# Altium PCB mV_meter.PcbDoc (part 1 of 3) (continued)
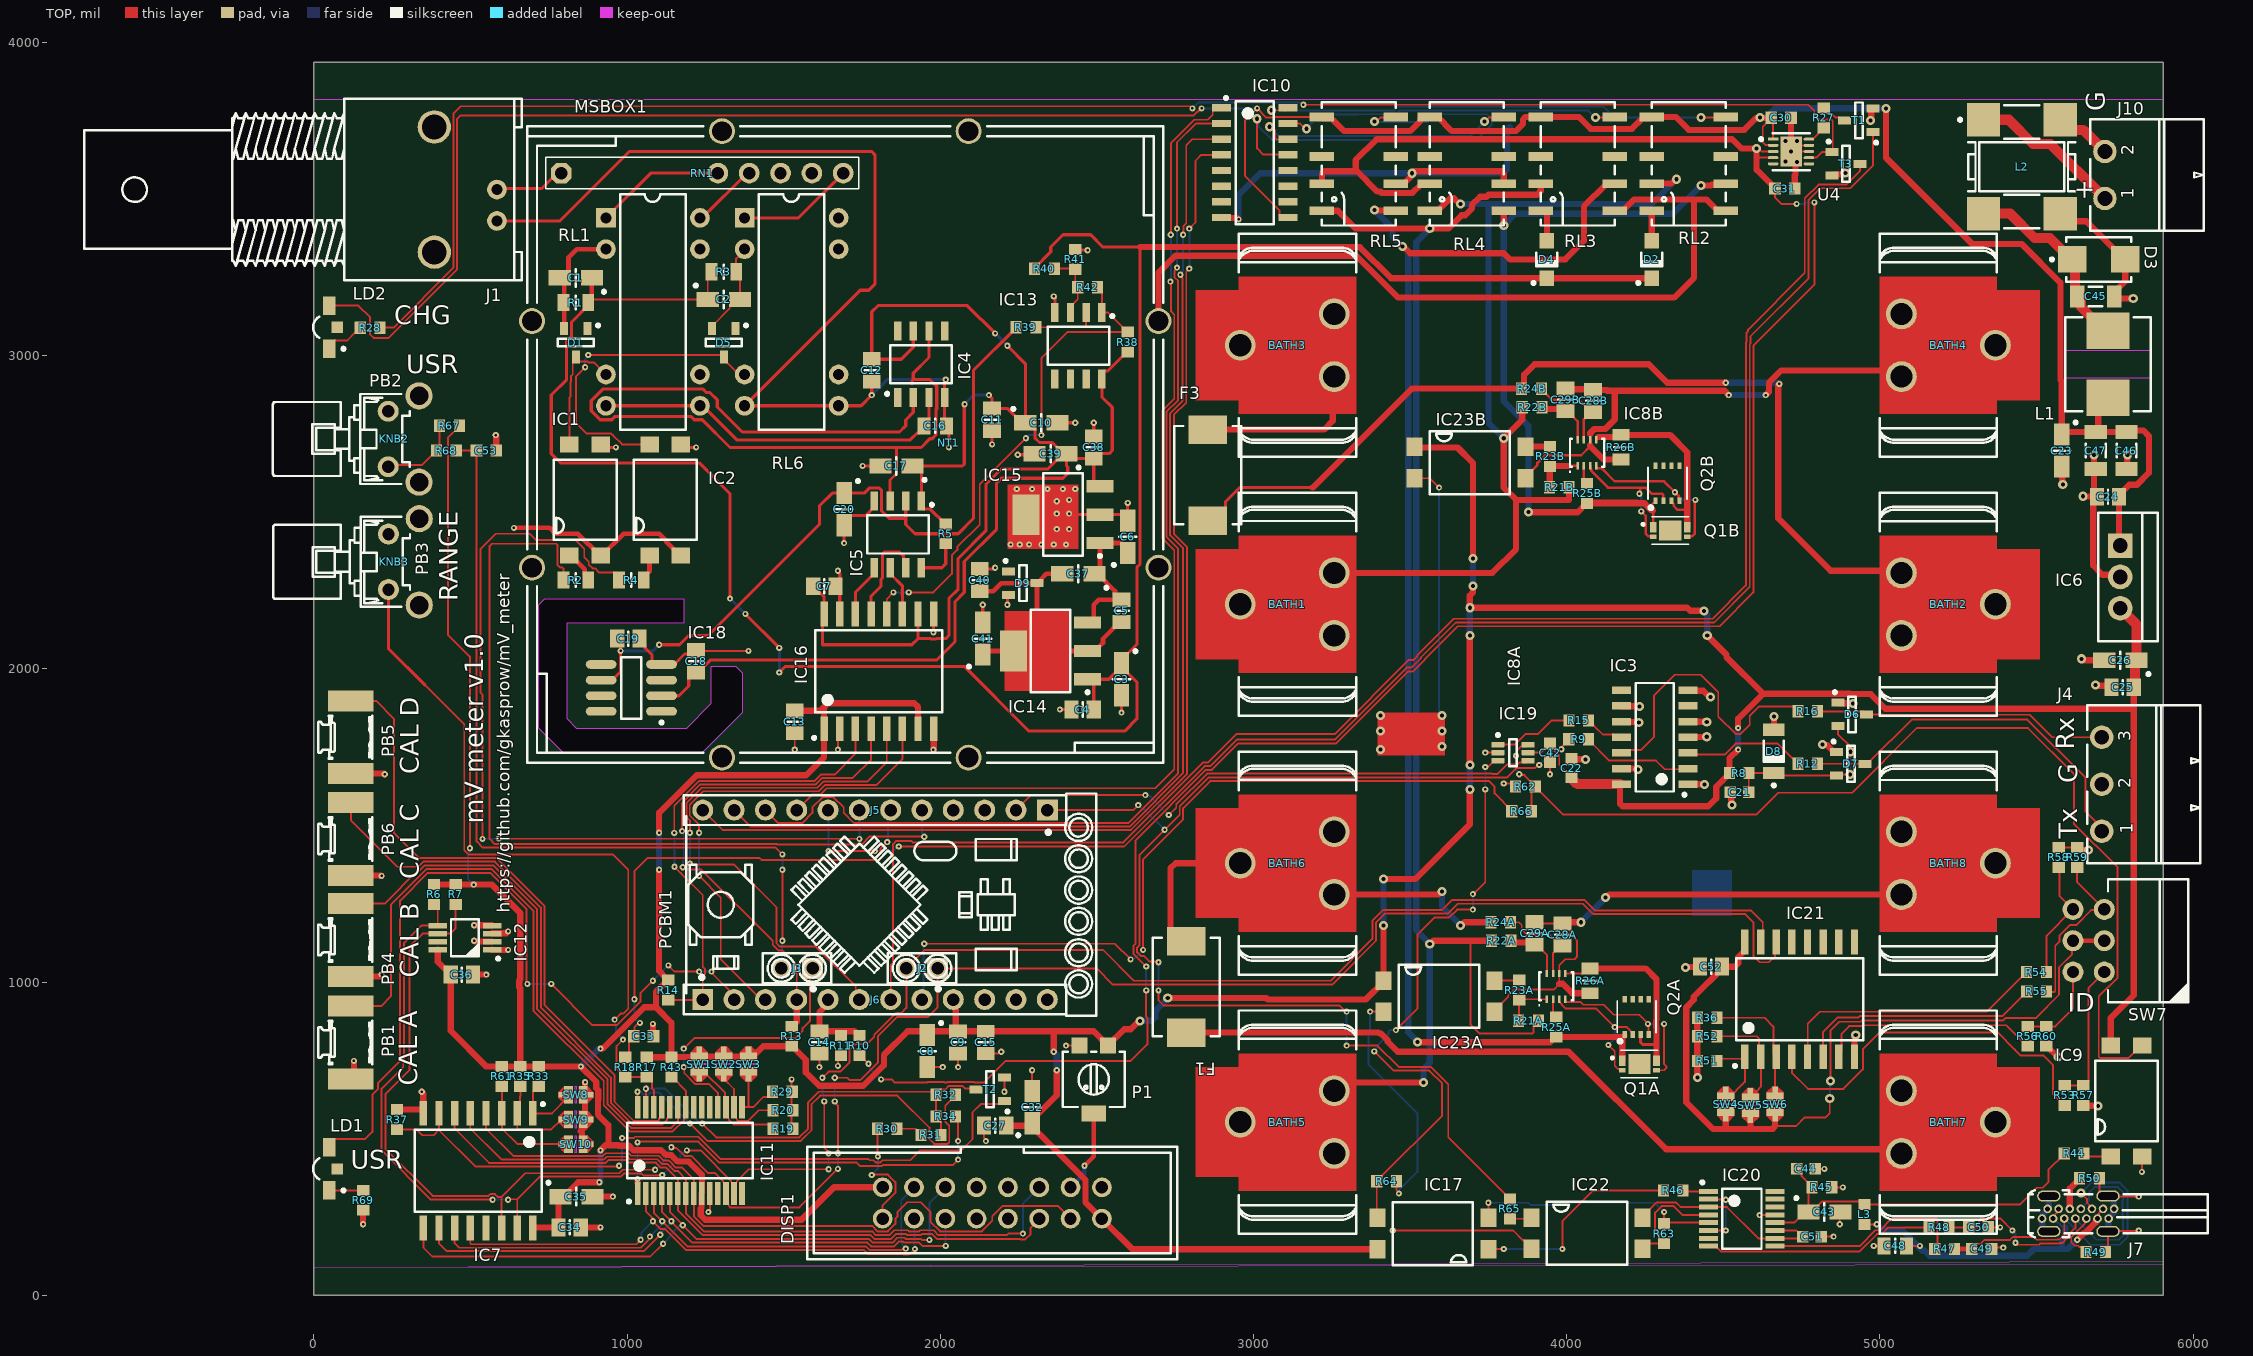
[diagram p0: TOP view]
## Components (designator, comment, footprint, x,y, rotation, side; value= is the part's Value field where it differs from the comment) (continued)
R36 "10k" RESC1608X55N 4448.82,885.83 r0 top
R37 "47k" RESC1608X55N 265.75,561.02 r270 top
R38 "10k" RESC1608X55N 2598.43,3043.31 r270 top
R39 "20k" RESC1608X55N 2273.62,3090.55 r0 top
R40 "47k" RESC1608X55N 2332.68,3277.56 r0 top
R41 "62k" RESC1608X55N 2431.1,3307.09 r270 top
R42 "10M" RESC1608X55N 2470.47,3218.5 r0 top
R43 "1k" RESC1608X55N 1141.73,728.35 r90 top
R44 "470" RESC1608X55N 5620.08,452.76 r180 top
R45 "470" RESC1608X55N 4814.96,344.49 r180 top
R46 "470" RESC1608X55N 4340.55,334.65 r0 top
R47 "27" RESC1608X55N 5206.69,147.64 r0 top
R48 "27" RESC1608X55N 5188.98,216.54 r0 top
R49 "5k1" RESC1608X55N 5688.98,137.8 r180 top
R50 "5k1" RESC1608X55N 5669.29,374.02 r0 top
R51 "10k" RESC1608X55N 4448.82,748.03 r0 top
R52 "10k" RESC1608X55N 4448.82,826.77 r0 top
R53 "470" RESC1608X55N 5590.55,637.8 r90 top
R54 "470" RESC1608X55N 5500,1032 r0 top
R55 "470" RESC1608X55N 5500.5,970 r0 top
R56 "470" RESC1608X55N 5472.44,826.77 r90 top
R57 "10k" RESC1608X55N 5649.61,637.8 r90 top
R58 "10k" RESC1608X55N 5570.87,1397.64 r270 top
R59 "10k" RESC1608X55N 5629.92,1397.64 r270 top
R60 "10k" RESC1608X55N 5531.5,826.77 r90 top
R61 "10k" RESC1608X55N 600.39,698.82 r270 top
R62 "10k" RESC1608X55N 3868.11,1624.02 r0 top
R63 "10k" RESC1608X55N 4311.02,196.85 r270 top
R64 "10k" RESC1608X55N 3425.2,364.17 r180 top
R65 "470" RESC1608X55N 3818.9,275.59 r270 top
R66 "10k" RESC1608X55N 3856.3,1545.28 r0 top
R67 "1k" RESC1608X55N 433.07,2775.59 r0 top
R68 "10k" RESC1608X55N 423.23,2696.85 r180 top
R69 "1k" RESC1608X55N 157.48,303.15 r90 top
RL1 "COMUS 3563.1231.051" REL_LITTELFUSE_HE700 1082.68,3139.76 r0 top value=5VDC
RL2 "REL_TYCO_IM Non-latching" REL_TYCO_IMXXXGX 4389.76,3612.2 r270 top value=12VDC
RL3 "REL_TYCO_IM Non-latching" REL_TYCO_IMXXXGX 4035.43,3612.2 r270 top value=12VDC
RL4 "REL_TYCO_IM Non-latching" REL_TYCO_IMXXXGX 3681.1,3612.2 r270 top value=12VDC
RL5 "REL_TYCO_IM Non-latching" REL_TYCO_IMXXXGX 3336.61,3612.2 r270 top value=12VDC
RL6 "COMUS 3563.1231.051" REL_LITTELFUSE_HE700 1525.59,3139.76 r0 top value=5VDC
RN1 "9M 900K 90K 9K 1K" 1776-C6815 1240.16,3582.68 r180 top
SW1 "Switch" JUMPSMD0805_G50 1230.31,738.19 r270 top
SW2 "Switch" JUMPSMD0805_G50 1309.05,738.19 r270 top
SW3 "Switch" JUMPSMD0805_G50 1387.8,738.19 r270 top
SW4 "Switch" JUMPSMD0805_G50 4507.87,610.24 r90 top
SW5 "Switch" JUMPSMD0805_G50 4586.61,606.3 r90 top
SW6 "Switch" JUMPSMD0805_G50 4665.35,610.24 r90 top
SW7 "HEX" SW_APEM_PT65106L254 5856.3,1131.89 r180 top
SW8 "Switch" JUMPSMD0805_G50 836.61,639.76 r180 top
SW9 "Switch" JUMPSMD0805_G50 836.61,561.02 r180 top
SW10 "Switch" JUMPSMD0805_G50 836.61,482.28 r180 top
T1 "BSS138LT1G" SOT95P240X110-3N 4933,3751 r180 top
T2 "BSS138LT1G" SOT95P240X110-3N 2159.45,657.48 r180 top
T3 "BSS138LT1G" SOT95P240X110-3N 4891.73,3612.2 r0 top
U4 "MCP73213-A6SI/MF" FP-C04-063-IPC_B 4716.45,3651.57 r0 top

## Footprints (in the part's own frame and the unit in brackets; to place one, negate y for a bottom-side part, rotate by r counter-clockwise, add the part's x,y. Pads: shape width x height; smd on the part's side, far side on the other; paste and mask are expansions set on the pad)
1776-C6815 [mil] "Precision Decade Resistor Voltage Divider"
  oct 66x66 / inner round 60.98 / far side oct 66x66 hole 39.37: 1(450,0)
  round 66 hole 39.37: 2(-50,0) 3(-150,0) 4(-250,0) 5(-350,0) 6(-450,0)
  silkscreen extent -500,-50 500,50, body extent -500,-30 500,30, height 591
ADI-R-8_M [mm] "SOIC, 8-Leads, Body 4.9x3.9mm, Pitch 1.27mm, IPC Low Density"
  oval 2.5x0.7 smd: 1(-2.45,1.905) 2(-2.45,0.635) 3(-2.45,-0.635) 4(-2.45,-1.905) 5(2.45,-1.905) 6(2.45,-0.635) 7(2.45,0.635) 8(2.45,1.905)
  silkscreen extent -2.58,-2.5 0.8,2.93, body extent -2,-2.5 2,2.5, height 1.75
BATH_KEYSTONE_54 [mm] "Clip for 16mm - 19mm Diameter Battery"
  round 2.5 hole 1.8: 1(-7.62,0) 1(0,-2.54) 1(0,2.54)
  TOP region: -11.231,-4.445 -11.231,4.445 -7.747,4.445 -7.747,5.563 1.778,5.563 1.778,-5.563 -7.747,-5.563 -7.747,-4.445
  silkscreen extent -7.75,-9.05 1.78,9.05, body extent -11.23,-9.05 1.78,9.05, height 18.3
CAPC1608X87N [mm] "Chip Capacitor, Body 1.6x0.8mm IPC Medium Density"
  rect 0.95x1 smd: 1(-0.8,0) 2(0.8,0)
  body extent -0.87,-0.47 0.88,0.48, height 0.87
CAPC1608X90N [mm] "Chip Capacitor, Body 1.6x0.8mm IPC Medium Density"
  rect 0.95x0.95 smd: 1(-0.75,0) 2(0.75,0)
  body extent -0.85,-0.45 0.85,0.45, height 0.9
CAPC2012X88N [mm] "Chip Capacitor, Body 2.0x1.25mm, IPC Medium Density"
  rect 1.15x1.45 smd: 1(-0.9,0) 2(0.9,0)
  silkscreen extent 0,-0.58 0,0.58, body extent -1.05,-0.67 1.05,0.68, height 0.9
CAPC2012X135N [mm] "Chip Capacitor, Body 2.0x1.25mm, IPC Medium Density"
  rect 1.05x1.4 smd: 1(-0.9,0) 2(0.9,0)
  silkscreen extent 0,-0.58 0,0.58, body extent -1.05,-0.67 1.05,0.68, height 1.25
CAPC3216X180N [mm] "Chip Capacitor, Body 3.2x1.6mm, IPC Medium Density"
  rect 1.15x1.8 smd: 1(-1.5,0) 2(1.5,0)
  silkscreen extent -0.55,-0.8 0.55,0.8, body extent -1.7,-0.9 1.7,0.9, height 1.8
CAPMP3216X180N [mm] "Capacitor, Polarized, Molded  Body 3.2x1.6mm, IPC Medium Density"
  rect 1.8x1.25 smd: 1(-1.3,0) 2(1.3,0)
  silkscreen extent -2.4,-0.7 0,1.25, body extent -1.7,-0.9 1.7,0.9, height 1.6
DCK0006A_M [mm] "SOT23, 6-Leads, Body 2.15x1.4mm, Pitch 0.65mm, IPC Low Density"
  rrect22% 1.05x0.45 smd: 1(-1.225,0.65) 2(-1.225,0) 3(-1.225,-0.65) 4(1.225,-0.65) 5(1.225,0) 6(1.225,0.65)
  silkscreen extent -1.35,-1.1 0.3,1.55, body extent -1.14,-1 1.14,1, height 0.94
DIOM5336X265N [mm] "DO-214-AA/SMB Diode, Molded Body; 5.34mm L X 3.625mm W X 2.65mm H, IPC Medium Density"
  rect 2.3x2.15 smd: 1(-2.15,0) 2(2.15,0)
  silkscreen extent -3.92,-1.8 2.65,1.8, body extent -2.7,-1.95 2.7,1.95, height 2.4
DIOMELF3515N [mm] "SOD80C, MELF Diode, 2-Leads, Body 3.5x1.5mm, IPC Medium Density"
  rect 1x1.75 smd: 1(-1.75,0) 2(1.75,0)
  silkscreen extent -2.87,-0.8 0.85,0.8, body extent -1.85,-0.8 1.85,0.8, height 1.6
FAIRCHILD_FOD817DSD [mm] "SOIC, 2.54mm Pitch, 4 Pin, Body 6.5mm W X 4.6mm L X 4.6mm H"
  rect 1.3x1.5 smd: 1(-4.5,1.27) 2(-4.5,-1.27) 3(4.5,-1.27) 4(4.5,1.27)
  silkscreen extent -3.25,-2.55 3.25,2.55, body extent -5.01,-2.55 5.02,2.55, height 4.06
FP-C04-063-IPC_B [mm]
  rect 0.854x0.239 smd paste+0 mask+0: 1(-1.452,1)
  rrect100% 0.854x0.239 smd paste+0 mask+0: 2(-1.452,0.5) 3(-1.452,0) 4(-1.452,-0.5) 5(-1.452,-1) 6(1.452,-1) 7(1.452,-0.5) 8(1.452,0) 9(1.452,0.5) 10(1.452,1)
  rect 1.75x2.45 smd paste-1000 mask+0: 11(0,0)
  silkscreen extent -2.55,-1.5 1.5,1.5
FUSR_BOURNS_MF-SM300 [mm] "PolySwitch, 2-Leads, Body 7.98x5.44mm Max"
  rect 2.3x3.1 smd: 1(-3.7,0) 2(3.7,0)
  silkscreen extent -3.99,-2.72 3.99,2.72, body extent -3.99,-2.72 3.99,2.72, height 3
IDC_16_male [mm] "IDC 2x13 PCB male connector"
  round 1.6 hole 1: 1(-8.89,-1.27) 2(-8.89,1.27) 3(-6.35,-1.27) 4(-6.35,1.27) 5(-3.81,-1.27) 6(-3.81,1.27) 7(-1.27,-1.27) 8(-1.27,1.27) 9(1.27,-1.27) 10(1.27,1.27) 11(3.81,-1.27) 12(3.81,1.27) 13(6.35,-1.27) 14(6.35,1.27) 15(8.89,-1.27) 16(8.89,1.27)
  silkscreen extent -14.99,-4.57 14.99,4.57, body extent -13.82,-4.11 13.82,4.52, height 9.65
IND_BOURNS_SRF1006 [mm] "SMD Inductor Body Width 10mm Body Lenght 7.4mm Height 6.5mm"
  rect 2.7x2.7 smd: 1(-3.81,-3.11) 2(3.81,-3.11) 3(3.81,3.11) 4(-3.81,3.11)
  silkscreen extent -5,-5.12 5,4.35, body extent -5,-4.35 5,4.35, height 6.5
IND_WURTH_WE-LHMI_7050 [mm] "SMD Power Inductor (We-LHMI Series), Body 7.6x6.9mm"
  rect 2.95x3.5 smd: 1(-2.725,0) 2(2.725,0)
  TOP keep-out region: 1.1,-3.45 1.1,3.45 -1.1,3.45 -1.1,-3.45
  silkscreen extent -3.8,-3.45 3.8,3.45, body extent -3.65,-3.3 3.65,3.3, height 4.8
INDC1608X75N [mm] "Chip Inductor, 2-Leads, EIA 0603, Metric 1608, Body 1.6x0.8mm, IPC Medium Density"
  rect 0.9x1 smd: 1(-0.8,0) 2(0.8,0)
  body extent -0.87,-0.47 0.88,0.48, height 0.7
JUMPSMD0805_G50 [mm] "2 SMD Pads for Bound by Solder Drop - Equivalent Size 0805 - Gap 0.5mm"
  rect 0.475x0.45 smd paste-0.225: 1(-1.188,0) 2(1.188,0)
  rect 0.7x1.4 smd paste-0.35: 1(-0.6,0) 2(0.6,0)
  TOP region: 0.25,-0.7 0.95,-0.7 1.425,-0.225 1.425,0.225 0.95,0.7 0.25,0.7
  TOP region: -0.25,0.7 -0.95,0.7 -1.425,0.225 -1.425,-0.225 -0.95,-0.7 -0.25,-0.7
  TOP keep-out region: -0.05,0.7 0.05,0.7 0.05,-0.7 -0.05,-0.7
KNB_OMRON_B32-2010_H [mil] "Black Knob For OMRON Push-Button Switch (Dia. 6mm L=5.5mm) Horizontal"
  silkscreen extent -118,-387 118,-170, body extent -118,-387 118,-170, height 276
KYCON_KUSBX-SL-CS1N14-B [mm] "USB 2.0 Type C Receptacle, High Temp., Flag Style Through Hole 14 Pin, Black"
  round 0.7 hole 0.4: A1(-0.39,-2.25) A4(-0.39,-1.35) A5(-0.39,-0.45) A6(-0.39,0.45) A7(-0.39,1.35) A9(-0.39,2.25) A12(-0.39,3.15) B1(0.39,2.7) B4(0.39,1.8) B5(0.39,0.9) B6(0.39,0) B7(0.39,-0.9) B9(0.39,-1.8) B12(0.39,-2.7)
  oval 0.9x1.9 hole 0.6 slot 1.6 at 90 deg: SHIELD(-1.43,2.6) SHIELD(-1.43,-2.2) SHIELD(1.43,2.6) SHIELD(1.43,-2.2)
  silkscreen extent -1.9,-10.3 1.9,4.25, body extent -1.9,-10.3 1.9,4.25, height 9.04
LED_AVAGO_HSME-C110 [mm] "Green Chip LED, 2-Leads, Body 3.3x1.6mm, Side Emitting Package"
  rect 1.5x1 smd: 1(-1.75,0) 2(1.75,0)
  rect 0.9x0.9 smd: 3(0,-0.65)
  silkscreen extent -1.87,-1.28 0.86,1.3, body extent -1.65,-0.3 1.65,1.3, height 1
MSBOX_PERANCEA_PFL6T [mm] "Metal Screening Box, Internal dimensions L50 x W50 x H15mm, Overall Size 55x55x16mm"
  round 2.1 hole 1.6: 1(-10,25.4) 2(10,25.4) 3(25.4,10) 4(25.4,-10) 5(10,-25.4) 6(-10,-25.4) 7(-25.4,-10) 8(-25.4,10)
  silkscreen extent -25.8,-25.8 25.8,25.8, body extent -27.22,-27.22 27.22,27.22, height 16
"Net Tie" [mil] "SMD Net Tie"
  rect 5x5 smd paste-2.5 mask-2.5: 1(0,0) 2(10,0)
  TOP lines w5: 10,0 0,0
PB_C&K_KSS221GLFS [mm] "Body 7.0x3.5mm, Surface Mount Subminiature Tact Side Actuated Switch, C&K KSS Series"
  rect 1.7x3.7 smd: 1(-2.955,-0.005) 2(2.945,-0.005)
  silkscreen extent -1.76,-1.76 1.74,2.64, body extent -3.51,-1.76 3.49,2.64, height 1.65
PB_OMRON_B3F-3150 [mm] "7.3x6.25mm Model, Side-operated , Projected Plunger Type (without Ground Terminal) Pushbutton Switch, OMRON B3F Series"
  round 1.7 hole 1: 1(-2.25,-0.978) 2(2.25,-0.978)
  round 2.2 hole 1.5: 3(-3.5,1.522) 4(3.5,1.522)
  silkscreen extent -3.65,-7.13 3.65,0.77, body extent -4.35,-7.13 4.35,3.02, height 7.4
"PCBM_ARDUINO PRO MINI" [mil] "Arduino NANO RP2040 Printed Circuit Board Module"
  silkscreen extent -707,-355 603,355, body extent -707,-355 603,355, height 522
PHOENIX_1803277 [mm] "PHOENIX MC Serie, Pitch 3.81mm, 8A, 160V, 2 Positions Right Angled Header"
  round 1.9 hole 1.2: 1(-1.905,0) 2(1.905,0)
  silkscreen extent -4.51,-8 4.51,1.2, body extent -4.51,-8 4.5,1.3, height 7.25
PHOENIX_1803280 [mm] "PHOENIX MC Serie, Pitch 3.81mm, 8A, 160V, 3 Positions Right Angled Header"
  round 1.9 hole 1.2: 1(-3.81,0) 2(0,0) 3(3.81,0)
  silkscreen extent -6.41,-8 6.41,1.2, body extent -6.41,-8 6.41,1.3, height 7.25
REL_LITTELFUSE_HE700 [mm] "DIP 14, 8 Leads, Row Spacing 7.62 mm; Pitch 2.54 mm"
  rect 1.6x1.6 hole 0.9: 1(-3.81,7.62)
  round 1.6 hole 0.9: 2(-3.81,5.08) 6(-3.81,-5.08) 7(-3.81,-7.62) 8(3.81,-7.62) 9(3.81,-5.08) 13(3.81,5.08) 14(3.81,7.62)
  silkscreen extent -2.65,-9.55 2.65,9.55, body extent -3.93,-9.54 3.94,9.55, height 5.82
REL_TYCO_IMXXXGX [mm] "8 Gull Wings Leads SMT Relay, IM Series, Body 10mm x 6mm"
  rect 0.7x2 smd: 1(-3.8,-3) 2(-0.6,-3) 3(1.6,-3) 4(3.8,-3) 5(3.8,3) 6(1.6,3) 7(-0.6,3) 8(-3.8,3)
  silkscreen extent -5,-3 5,3, body extent -5,-3.76 5,3.76, height 5.65
RESC1608X55N [mm] "Chip Resistor, EIA 0603, Metric 1608, Body 1.6x0.8mm, IPC Medium Density"
  rect 0.9x1 smd: 1(-0.8,0) 2(0.8,0)
  body extent -0.87,-0.47 0.88,0.48, height 0.55
RESC2012X60N [mm] "Chip Resistor, EIA 0805, Metric 2012, Body 2.0x1.2mm, IPC Medium Density"
  rect 0.95x1.4 smd: 1(-1,0) 2(1,0)
  silkscreen extent 0,-0.55 0,0.55, body extent -1.1,-0.67 1.1,0.68, height 0.6
SAMTEC_SSW-102-02-G-S [mm] "2 Contacts, Pitch 2.54mm - Top Entry, Single Row, Through Mount Straigh Socket"
  rect 1.7x1.7 hole 1: 1(-1.27,0)
  round 1.7 hole 1: 2(1.27,0)
  silkscreen extent -2.79,-1.21 2.79,1.81, body extent -2.79,-1.21 2.79,1.21, height 8.51
SAMTEC_SSW-112-01-G-S [mm] "12 Contacts, Pitch 2.54mm - Top Entry, Single Row, Through Mount Straigh Socket"
  rect 1.7x1.7 hole 1: 1(-13.97,0)
  round 1.7 hole 1: 2(-11.43,0) 3(-8.89,0) 4(-6.35,0) 5(-3.81,0) 6(-1.27,0) 7(1.27,0) 8(3.81,0) 9(6.35,0) 10(8.89,0) 11(11.43,0) 12(13.97,0)
  silkscreen extent -15.49,-1.21 15.5,1.95, body extent -15.49,-1.21 15.49,1.21, height 8.51
SODFL3617X108N [mm] "SODFL Diode (SOD123FL); 2.75mm W X 1.72mm L X 1.08mm H body, IPC Medium Density"
  rect 1.26x1.17 smd: 1(-1.53,0) 2(1.53,0)
  silkscreen extent -2.03,-0.85 0.55,1.21, body extent -1.85,-0.95 1.85,0.95, height 1.1
SOIC127P600X175-8N [mm] "SOIC 8, Pitch 1.27mm - Body 4x5mm, IPC Medium Density"
  rect 1.55x0.6 smd: 1(-2.7,1.905) 2(-2.7,0.635) 3(-2.7,-0.635) 4(-2.7,-1.905) 5(2.7,-1.905) 6(2.7,-0.635) 7(2.7,0.635) 8(2.7,1.905)
  silkscreen extent -2.52,-2.5 1.55,2.88, body extent -3.1,-2.5 3.1,2.5, height 1.75
SOIC127P600X175-14N [mm] "SOIC 14, Pitch 1.27mm - Body 4x8.75mm, IPC Medium Density"
  rect 1.55x0.6 smd: 1(-2.7,3.81) 2(-2.7,2.54) 3(-2.7,1.27) 4(-2.7,0) 5(-2.7,-1.27) 6(-2.7,-2.54) 7(-2.7,-3.81) 8(2.7,-3.81) 9(2.7,-2.54) 10(2.7,-1.27) 11(2.7,0) 12(2.7,1.27) 13(2.7,2.54) 14(2.7,3.81)
  silkscreen extent -2.53,-4.4 1.55,4.78, body extent -3.1,-4.37 3.1,4.38, height 1.75
SOIC127P600X175-16N [mm] "SOIC 16, Pitch 1.27mm - Body 4x10mm, IPC Medium Density"
  rect 1.55x0.6 smd: 1(-2.7,4.445) 2(-2.7,3.175) 3(-2.7,1.905) 4(-2.7,0.635) 5(-2.7,-0.635) 6(-2.7,-1.905) 7(-2.7,-3.175) 8(-2.7,-4.445) 9(2.7,-4.445) 10(2.7,-3.175) 11(2.7,-1.905) 12(2.7,-0.635) 13(2.7,0.635) 14(2.7,1.905) 15(2.7,3.175) 16(2.7,4.445)
  silkscreen extent -2.45,-5 1.55,5.37, body extent -3.1,-5 3.1,5, height 1.75
SOIC127P1030X265-16N [mm] "SOIC, 1.27mm Pitch; 16 Pin, 7.50mm W X 10.3mm L X 2.65mm H body, IPC Medium Density"
  rect 2x0.6 smd: 1(-4.65,4.445) 2(-4.65,3.175) 3(-4.65,1.905) 4(-4.65,0.635) 5(-4.65,-0.635) 6(-4.65,-1.905) 7(-4.65,-3.175) 8(-4.65,-4.445) 9(4.65,-4.445) 10(4.65,-3.175) 11(4.65,-1.905) 12(4.65,-0.635) 13(4.65,0.635) 14(4.65,1.905) 15(4.65,3.175) 16(4.65,4.445)
  silkscreen extent -5.52,-5.15 3.32,5.38, body extent -5.18,-5.25 5.18,5.25, height 1.68
SON50P200X48-8N [mm] "SON, 8-Leads, Body 2,46x1,97mm, Pitch 0,50mm, IPC Medium Density"
  rect 0.6x0.2 smd: 1(-1.045,0.75) 2(-1.045,0.25) 3(-1.045,-0.25) 4(-1.045,-0.75) 5(1.045,-0.75) 6(1.045,-0.25) 7(1.045,0.25) 8(1.045,0.75)
  silkscreen extent -1.58,-1.38 1.14,1.43, body extent -1.08,-1.23 1.08,1.23, height 0.48
SOP63P600X175-16N [mm] "SOP, 0.635mm Pitch; 16 Pin, 3.9mm W X 4.895mm L X 1.75mm H Body, IPC Medium Density"
  rect 1.55x0.4 smd: 1(-2.7,2.222) 2(-2.7,1.587) 3(-2.7,0.953) 4(-2.7,0.318) 5(-2.7,-0.318) 6(-2.7,-0.953) 7(-2.7,-1.587) 8(-2.7,-2.222) 9(2.7,-2.222) 10(2.7,-1.587) 11(2.7,-0.953) 12(2.7,-0.318) 13(2.7,0.318) 14(2.7,0.953) 15(2.7,1.587) 16(2.7,2.222)
  silkscreen extent -3.32,-2.45 1.6,3.07, body extent -3.13,-2.49 3.13,2.49, height 1.75
SOP65P490X110-8N [mm] "SOP, 0.65mm pitch; 8 pin, 3.00mm W X 3.00mm L X 1.10mm H body, IPC Medium Density"
  rect 1.5x0.45 smd: 1(-2.2,0.975) 2(-2.2,0.325) 3(-2.2,-0.325) 4(-2.2,-0.975) 5(2.2,-0.975) 6(2.2,-0.325) 7(2.2,0.325) 8(2.2,0.975)
  silkscreen extent -2.83,-1.5 1.12,1.82, body extent -2.45,-1.55 2.45,1.55, height 1.1
SOP65P780X200-28N [mm] "SOP, 0.65mm Pitch; 28 Pin, 5.30mm W X 10.20mm L X 2.00mm H Body, IPC Medium Density"
  rect 1.85x0.45 smd: 1(-3.5,4.225) 2(-3.5,3.575) 3(-3.5,2.925) 4(-3.5,2.275) 5(-3.5,1.625) 6(-3.5,0.975) 7(-3.5,0.325) 8(-3.5,-0.325) 9(-3.5,-0.975) 10(-3.5,-1.625) 11(-3.5,-2.275) 12(-3.5,-2.925) 13(-3.5,-3.575) 14(-3.5,-4.225) 15(3.5,-4.225) 16(3.5,-3.575) 17(3.5,-2.925) 18(3.5,-2.275) 19(3.5,-1.625) 20(3.5,-0.975) 21(3.5,-0.325) 22(3.5,0.325) 23(3.5,0.975) 24(3.5,1.625) 25(3.5,2.275) 26(3.5,2.925) 27(3.5,3.575) 28(3.5,4.225)
  silkscreen extent -4.27,-5.1 2.25,5.1, body extent -4.11,-5.25 4.11,5.25, height 2
SOT95P240X110-3N [mm] "SOT23 3-Leads, Pitch 0.95mm, Body 1.3x2.9mm, IPC Medium Density"
  rect 1.05x0.65 smd: 1(-1.15,0.95) 2(-1.15,-0.95) 3(1.15,0)
  silkscreen extent -1.52,-1.45 0.3,1.92, body extent -1.25,-1.5 1.25,1.5, height 1.1
SOT-28FL-8_2P9X2P3_ONS-M [mil]
  rect 22x14 smd paste+0 mask+0: 1(-56,38.39) 2(-56,12.8) 3(-56,-12.8) 4(-56,-38.39) 5(56,-38.39) 6(56,-12.8) 7(56,12.8) 8(56,38.39)
  silkscreen extent -84,-62 51,62, body extent -55,-57 55,57, height 35
SOT-223-DB3_N [mm] "SOT223, 4-Leads, Body 6.5x3.5mm, Pitch 2.3mm, Lead Span 7mm, IPC Medium Density"
  rect 2.2x1 smd: 1(-3,2.3) 2(-3,0) 3(-3,-2.3)
  rect 2.2x3.3 smd: 4(3,0)
  silkscreen extent -3.13,-3.35 1.6,3.47, body extent -1.85,-3.35 1.85,3.35, height 1.8
SW_APEM_PT65106L254 [mm] "Body 10x10mm, Right Angled Rotary Hexadecimal Code Switch Whith Screwdriver Actuator, APEM PT65 (CR65) Series"
  round 1.7 hole 1: 1(3.55,2.54) 2(6.09,-2.54) 4(3.55,-2.54) 8(6.09,2.54) C1(3.55,0) C2(6.09,0)
  silkscreen extent -3.25,-5 3.25,5, body extent -3.25,-5 6.23,5, height 10
TO-220-V [mm] "TO-220 3-Terminal - Vertical Mount"
  rect 2x2 hole 1.2: 1(-2.54,0)
  round 2 hole 1.2: 2(0,0) 3(2.54,0)
  silkscreen extent -5.21,-1.78 5.21,3.05, body extent -5.27,-1.75 5.27,2.95, height 20.5
TRANS_DMN2008LFU-7 [mm]
  rect 0.53x0.85 smd: 1_2(-1.385,0.25) 5_6(1.385,0.25)
  rect 0.53x0.35 smd: 3(-1.385,-0.5) 4(1.385,-0.5)
  rect 1.8x1.6 smd: 7(0,0)
  silkscreen extent -2.3,-1.12 1.5,1.12, body extent -1.5,-0.99 1.5,0.99, height 0.65
TRIM_BOURNS_3314G-1 [mm] "Bourns 3314G-1 Single Turn 4mm Square Trimpot® Trimming Potentiometer (Top Adjust)"
  rect 1.3x1.3 smd: 1(1.15,-2.75) 3(-1.15,-2.75)
  rect 2x1.3 smd: 2(0,2.75)
  silkscreen extent -2.5,-2.24 2.5,2.24, body extent -2.5,-3.1 2.5,3.1, height 2.73
TYCO_1-1337542-0 [mm] "50 Ohms  BNC Elbow PCB Socket With Mounting Posts"
  round 1.6 hole 0.9: 1(-5.48,0) 2(-5.48,2.54)
  round 2.7 hole 2: 3(-0.4,5.08) 3(-0.4,-5.08)
  silkscreen extent -7.5,-7.35 28,7.35, body extent -7.5,-7.35 28,7.35, height 13.16

## Part data
BATH1 BATH2 BATH3 BATH4 BATH5 BATH6 BATH7 BATH8: library part BATH_KEYSTONE_54, "Battery Holder whit 1 Pin", Manufacturer=KEYSTONE, Manufacturer Part Number=54, Author="CERN DEM JLC", Component Type=Standard, ComponentHeight=16.59mm, CreateDate=21.03.2018, Family=Battery, HelpURL=\\cern.ch\dfs\Applications\Altium\Datasheets\BATH_KEYSTONE_54.pdf, LatestRevisionDate=21.03.2018, Mounted=Yes, PackageDescription="Clip for 16mm - 19mm Diameter Battery", Part Description="Clip for 16mm - 19mm Diameter Battery", Part Number=BATH_KEYSTONE_54, Pin Count=1, PressFit=No, Sense=No, SMD=No, Socket=No
C1 C2 C3 C6 C10 C23 C26 C32 C35 C37 C39 C41: library part CTE3216-18_10UF_10V_10%_LESR1800, "Polarised capacitor", Case=A, Manufacturer=GENERIC, Manufacturer1 ComponentHeight=1.8mm, Manufacturer1 Example=AVX, Manufacturer1 Part Number=TPSA106K010R1800, Tolerance=±10%, Voltage=10V, Author="CERN DEM JLC", Component Type=Standard, CreateDate=05.05.2008, HelpURL=\\cern.ch\dfs\Applications\Altium\Datasheets\CTE-LESR_AVX_TPS.pdf, LatestRevisionDate=20.01.2009, Manufacturer Part Number=CTE3216-18_10UF_10V_10%_LESR1800, Mounted=Yes, Part Description="Low ESR 1R8 Solid Tantalum Chip Capacitor", Part Number=CTE3216-18_10UF_10V_10%_LESR1800, Pin Count=2, Sense=No, SMD=Yes, Socket=No, Status=Preferred
C4 C5 C7 C9 C11 C12 C13 C14 C18 C19 C24 C25 C27 C28A C28B C29A C29B C34 C36 C38 C40 C52: library part CC0805_100NF_50V_1%_NP0, "Non-polarised capacitor", Case=0805, Manufacturer=GENERIC, Manufacturer1 ComponentHeight=1.35mm, Manufacturer1 Example="WALSIN TECHNOLOGY CORPORATION", Manufacturer1 Part Number=0805N103F500C, Tolerance=±1%, Voltage=50V, Author="CERN DEM HF", Component Type=Standard, ComponentHeight=1.35mm, CreateDate=28.08.2023, HelpURL=\\cern.ch\dfs\Applications\Altium\Datasheets\CC0805_WALSIN_0805.pdf, LatestRevisionDate=28.08.2023, Manufacturer Part Number=CC0805_100NF_50V_1%_NP0, Mounted=Yes, Part Description="SMD Multilayer Chip Ceramic Capacitor", Part Number=CC0805_100NF_50V_1%_NP0, Pin Count=2, Sense=No, SMD=Yes, Socket=No, Status="Not Recommended", TC=C0G/NP0
C8 C17 C43: library part CTE3216-18_4.7UF_10V_10%_LESR1400, "Polarised capacitor", Case=A, Manufacturer=GENERIC, Manufacturer1 ComponentHeight=1.8mm, Manufacturer1 Example=AVX, Manufacturer1 Part Number=TPSA475K010R1400, Tolerance=±10%, Voltage=10V, Author="CERN DEM JLC", Component Type=Standard, CreateDate=05.05.2008, HelpURL=\\cern.ch\dfs\Applications\Altium\Datasheets\CTE-LESR_AVX_TPS.pdf, LatestRevisionDate=20.01.2009, Manufacturer Part Number=CTE3216-18_4.7UF_10V_10%_LESR1400, Mounted=Yes, Part Description="Low ESR 1R4 Solid Tantalum Chip Capacitor", Part Number=CTE3216-18_4.7UF_10V_10%_LESR1400, Pin Count=2, Sense=No, SMD=Yes, Socket=No, Status=Preferred
C15 C48: library part CC0805_10NF_50V_5%_C0G, "Non-polarised capacitor", Case=0805, Manufacturer=GENERIC, Manufacturer1 ComponentHeight=0.88mm, Manufacturer1 Example=KEMET, Manufacturer1 Part Number=C0805C103J5GACTU, Tolerance=±5%, Voltage=50V, Author="CERN DEM JLC", Component Type=Standard, CreateDate=02.02.2011, HelpURL="\\cern.ch\dfs\Applications\Altium\Datasheets\CC0805_C0G_KEMET_(Commercial Grade).pdf", LatestRevisionDate=22.04.2015, Manufacturer Part Number=CC0805_10NF_50V_5%_C0G, Mounted=Yes, Part Description="SMD Multilayer Chip Ceramic Capacitor", Part Number=CC0805_10NF_50V_5%_C0G, Pin Count=2, Sense=No, SMD=Yes, Socket=No, Status=None, TC=C0G/NP0
C16: library part CC0805_220PF_50V_5%_C0G, "Non-polarised capacitor", Case=0805, Manufacturer=GENERIC, Manufacturer1 ComponentHeight=0.88mm, Manufacturer1 Example=KEMET, Manufacturer1 Part Number=C0805C151J5GACTU, Tolerance=±5%, Voltage=50V, Author="CERN DEM JLC", Component Type=Standard, CreateDate=03.12.2007, HelpURL="\\cern.ch\dfs\Applications\Altium\Datasheets\CC0805_C0G_KEMET_(Commercial Grade).pdf", LatestRevisionDate=22.04.2015, Manufacturer Part Number=CC0805_220PF_50V_5%_C0G, Mounted=Yes, Part Description="SMD Multilayer Chip Ceramic Capacitor", Part Number=CC0805_220PF_50V_5%_C0G, Pin Count=2, Sense=No, SMD=Yes, Socket=No, Status=Preferred, TC=C0G/NP0
C20: library part CTE3216-18_2.2UF_25V_10%, "Polarised capacitor", Case=A, Manufacturer=GENERIC, Manufacturer1 ComponentHeight=1.8mm, Manufacturer1 Example=AVX, Manufacturer1 Part Number=TAJA225K025R, Tolerance=±10%, Voltage=25V, Author="CERN DEM JLC", Component Type=Standard, CreateDate=26.05.2008, HelpURL=\\cern.ch\dfs\Applications\Altium\Datasheets\CTE_AVX_TAJ.pdf, LatestRevisionDate=26.05.2008, Manufacturer Part Number=CTE3216-18_2.2UF_25V_10%, Mounted=Yes, Part Description="Solid Tantalum Chip Capacitor", Part Number=CTE3216-18_2.2UF_25V_10%, Pin Count=2, Sense=No, SMD=Yes, Socket=No, Status=Preferred
C21: library part CC0603_2.2UF_10V_20%_X7R, "Non-polarised capacitor", Case=0603, Manufacturer=GENERIC, Manufacturer1 ComponentHeight=0.9mm, Manufacturer1 Example="TAIYO YUDEN", Manufacturer1 Part Number=LMK107B7225MA-T, Tolerance=±20%, Voltage=10V, Author="CERN DEM JLC", Component Type=Standard, CreateDate=22.06.2011, HelpURL=\\cern.ch\dfs\Applications\Altium\Datasheets\CC0603_X7R_TAIYO-YUDEN_HIGH-VALUE.pdf, LatestRevisionDate=27.06.2011, Manufacturer Part Number=CC0603_2.2UF_10V_20%_X7R, Mounted=Yes, Part Description="SMD Multilayer Chip Ceramic Capacitor", Part Number=CC0603_2.2UF_10V_20%_X7R, Pin Count=2, Sense=No, SMD=Yes, Socket=No, Status="Not Recommended", TC=X7R
C22 C42 C44 C51: library part CC0603_100NF_100V_10%_X7R, "Non-polarised capacitor", Case=0603, Manufacturer=GENERIC, Manufacturer1 ComponentHeight=0.9mm, Manufacturer1 Example=MURATA, Manufacturer1 Part Number=GRM188R72A104KA35D, Tolerance=±10%, Voltage=100V, Author="CERN DEM JLC", Component Type=Standard, CreateDate=11.12.2013, HelpURL=\\cern.ch\dfs\Applications\Altium\Datasheets\CC0603_MURATA_GRM188R72A104KA35D.pdf, LatestRevisionDate=11.12.2013, Manufacturer Part Number=CC0603_100NF_100V_10%_X7R, Mounted=Yes, Part Description="SMD Multilayer Chip Ceramic Capacitor", Part Number=CC0603_100NF_100V_10%_X7R, Pin Count=2, Sense=No, SMD=Yes, Socket=No, Status=None, TC=X7R
C30 C31: library part CC0603_1UF_16V_10%_X7R, "Non-polarised capacitor", Case=0603, Manufacturer=GENERIC, Manufacturer1 ComponentHeight=0.9mm, Manufacturer1 Example="YAGEO PHYCOMP", Manufacturer1 Part Number=223878615663, Tolerance=±10%, Voltage=16V, Author="CERN DEM JLC", Component Type=Standard, CreateDate=03.12.2007, HelpURL=\\cern.ch\dfs\Applications\Altium\Datasheets\CC0603_X7R_PHYCOMP.pdf, LatestRevisionDate=17.04.2015, Manufacturer Part Number=CC0603_1UF_16V_10%_X7R, Mounted=Yes, Part Description="SMD Multilayer Chip Ceramic Capacitor", Part Number=CC0603_1UF_16V_10%_X7R, Pin Count=2, Sense=No, SMD=Yes, Socket=No, Status=None, TC=X7R
C33 C53: library part CC0603_10NF_50V_5%_C0G, "Non-polarised capacitor", Case=0603, Manufacturer=GENERIC, Manufacturer1 ComponentHeight=0.9mm, Manufacturer1 Example=TDK, Manufacturer1 Part Number=C1608C0G1H103J080, Tolerance=±5%, Voltage=50V, Author="CERN DEM JLC", Component Type=Standard, CreateDate=10.12.2014, HelpURL=\\cern.ch\dfs\Applications\Altium\Datasheets\CC0603_C0G_TDK_C.pdf, LatestRevisionDate=10.12.2014, Manufacturer Part Number=CC0603_10NF_50V_5%_C0G, Mounted=Yes, Part Description="SMD Multilayer Chip Ceramic Capacitor", Part Number=CC0603_10NF_50V_5%_C0G, Pin Count=2, Sense=No, SMD=Yes, Socket=No, Status=Preferred, TC=C0G/NP0
C45 C46 C47: library part CC1206_22UF_10V_10%_X7R, "Non-polarised capacitor", Case=1206, Manufacturer=GENERIC, Manufacturer1 ComponentHeight=1.8mm, Manufacturer1 Example=MURATA, Manufacturer1 Part Number=GRM31CR71A226KE15L, Tolerance=±10%, Voltage=10V, Author="CERN DEM JLC", Component Type=Standard, CreateDate=08.06.2010, HelpURL=\\cern.ch\dfs\Applications\Altium\Datasheets\CC1206_X7R_MURATA_GRM-HI-CAP.pdf, LatestRevisionDate=08.06.2010, Manufacturer Part Number=CC1206_22UF_10V_10%_X7R, Mounted=Yes, Part Description="SMD Multilayer Chip Ceramic Capacitor", Part Number=CC1206_22UF_10V_10%_X7R, Pin Count=2, Sense=No, SMD=Yes, Socket=No, Status=Preferred, TC=X7R